# Altium PCB withICversion.PcbDoc (part 2 of 3)
Units mil, origin at the board's own origin, x right, y up, seen from the top; angles counter-clockwise.
Board outline 5511.81 x 8070.87 mil, 2 copper layers (Top Layer, Bottom Layer); 162 components, 85 nets, 489 pads, 156 vias.
Unrouted connection lines stored in the file: 133.
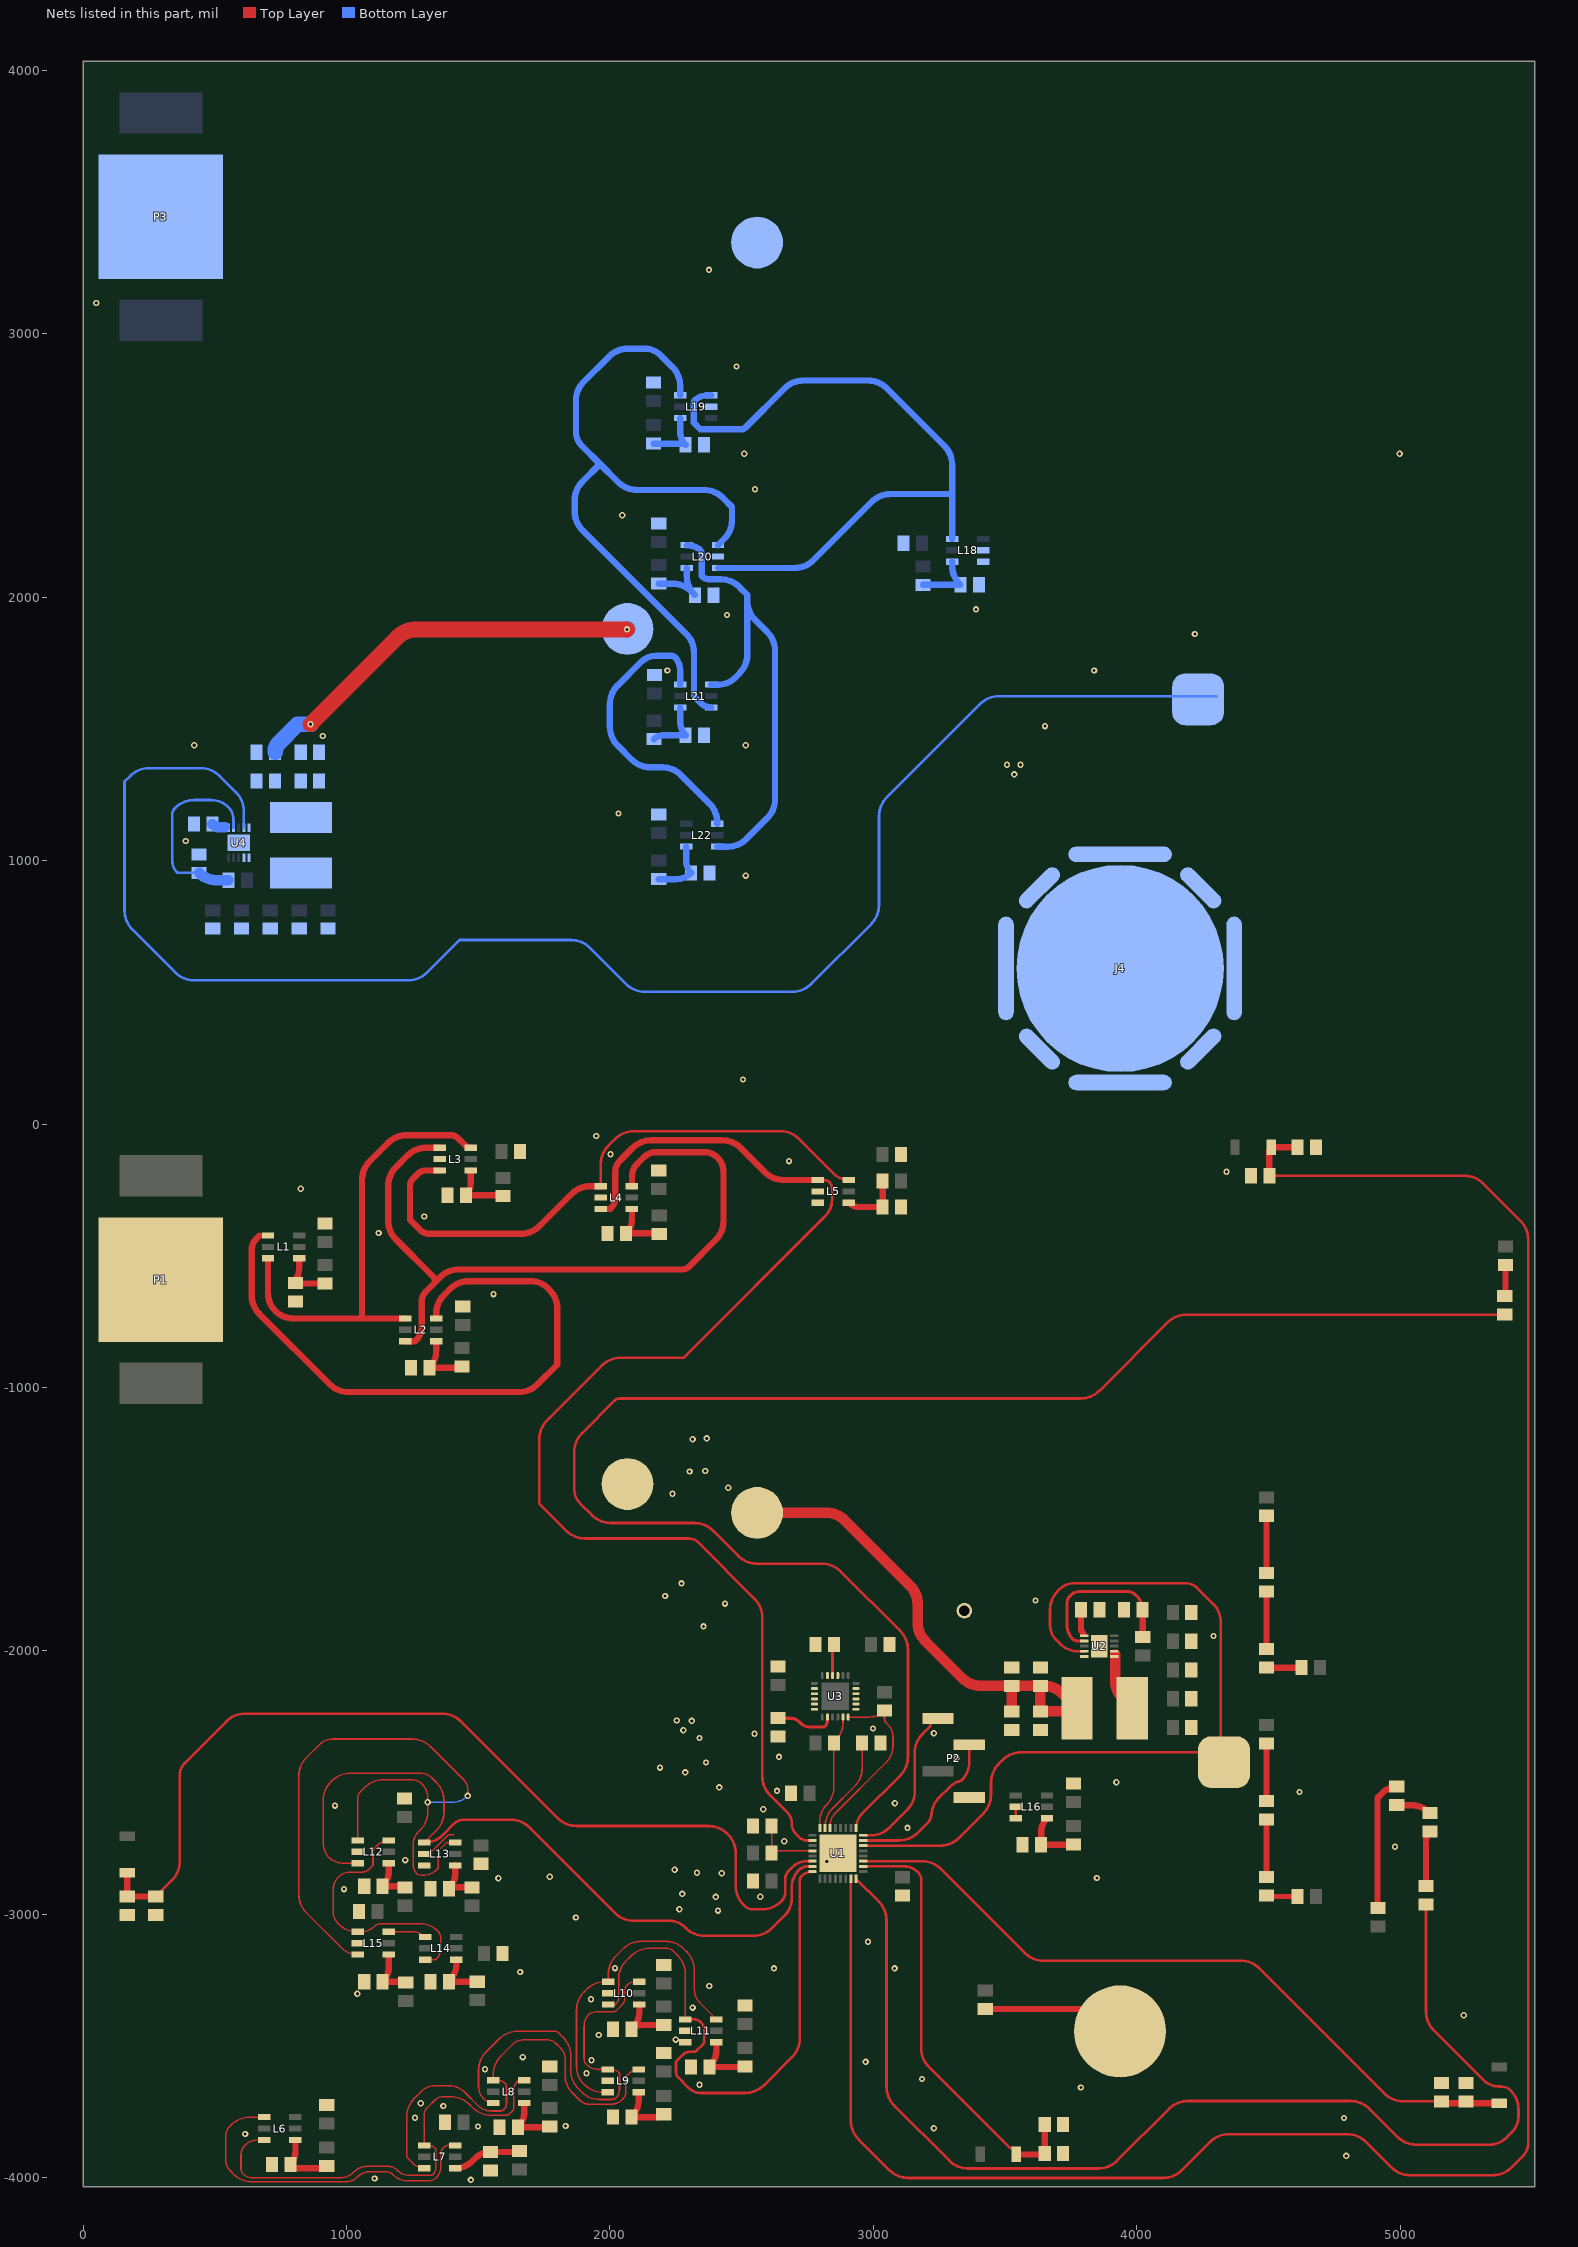
[diagram p2: the nets of this part, all layers, seen from the top]

## Via types
v1: diameter 24, hole 12, Top Layer to Bottom Layer, tented both sides, 156 vias

## Nets (pads, with @x,y where several pads share a name; then routed paths per layer and width w, separated by ;. In a path a pad name is that pad's centre, name@x,y a point inside that pad or via, vN(x,y) a via of type N, cw(c..) or ccw(c..) an arc to the next point about the centre after c; other vN are vias at no path point) (continued)
DAT_LDFLW: L10.6 L11.4 U1.8 | length 2264.1
  Top Layer w6: L10.6@1994.09,-3343.51 2017.87,-3343.51 ccw(c2017.87,-3336.77) 2022.65,-3341.53 ccw(c1996.5,-3315.4) 2033.46,-3315.4 2033.46,-3242.95 cw(c2122.33,-3242.95) 2059.49,-3180.12 2081.38,-3158.23 cw(c2152.09,-3228.94) 2152.09,-3128.94 2214.02,-3128.94 cw(c2214.02,-3165.9) 2240.16,-3139.76 2258.58,-3158.19 cw(c2191.37,-3225.39) 2286.42,-3225.39 L11.4@2286.42,-3399.61
  Top Layer w10: L11.4@2286.42,-3399.61 2319.33,-3399.61 cw(c2319.33,-3436.57) 2345.47,-3410.43 cw(c2314.58,-3441.32) 2358.27,-3441.32 2358.27,-3479.43 cw(c2334.74,-3479.43) 2351.37,-3496.07 2330.66,-3516.78 cw(c2315.94,-3502.07) 2315.94,-3522.88 2300.34,-3522.88 ccw(c2300.34,-3552.31) 2279.53,-3531.5 2255.16,-3555.86 ccw(c2265.24,-3565.94) 2250.98,-3565.94 2250.98,-3601.38 ccw(c2274.75,-3601.38) 2257.94,-3618.18 2301.18,-3661.42 ccw(c2343.95,-3618.65) 2343.95,-3679.13 2513.7,-3679.13 ccw(c2513.7,-3579.13) 2584.41,-3649.84 2692.17,-3542.08 ccw(c2621.46,-3471.37) 2721.46,-3471.37 2721.46,-2870.56 cw(c2741.62,-2870.56) 2727.74,-2855.93 cw(c2769.33,-2896.26) U1.8@2769.33,-2838.33
DAT_LUFLW: L4.6 L5.4 U1.2 | length 4919.2
  Top Layer w10: U1.2@2769.33,-2720.22 2746,-2720.22 cw(c2746,-2684.12) 2720.47,-2709.65 2707.84,-2697.01 cw(c2750.32,-2654.53) 2690.24,-2654.53 ccw(c2631.51,-2654.53) 2673.06,-2613.02 2608.03,-2547.99 cw(c2678.74,-2477.28) 2578.74,-2477.28 2578.74,-1874.1 ccw(c2478.74,-1874.1) 2549.45,-1803.39 2333.66,-1587.6 ccw(c2300.39,-1620.87) 2300.39,-1573.82 1905.59,-1573.82 cw(c1905.59,-1473.82) 1834.88,-1544.53 1732.28,-1441.93 1732.28,-1195.95 cw(c1832.28,-1195.95) 1761.57,-1125.24 1970.71,-916.1 cw(c2041.42,-986.81) 2041.42,-886.81 2280.51,-886.81 2817.06,-350.27 ccw(c2753.21,-286.42) 2843.5,-286.42 2843.5,-246.61 ccw(c2806.54,-246.61) 2832.68,-220.47 ccw(c2813.66,-239.49) 2813.66,-212.6 L5.4@2788.39,-212.6
  Top Layer w24: L4.6@1965.55,-322.84 1996.79,-322.84 ccw(c1996.79,-312.74) 2003.94,-319.88 ccw(c1963.54,-279.49) 2020.67,-279.49 2020.67,-181.55 cw(c2081.16,-181.55) 2038.37,-138.8 2085.87,-91.3 cw(c2156.58,-162.01) 2156.58,-62.01 2426.1,-62.01 cw(c2426.1,-162.01) 2496.81,-91.3 2588.82,-183.31 ccw(c2659.53,-112.6) 2659.53,-212.6 L5.4@2788.39,-212.6
DAT_RDFLW: R1.2 U1.25 | length 6189.6
  Top Layer w10: U1.25@2934.72,-2672.93 cw(c3011.66,-2672.93) 2957.26,-2618.53 3102.6,-2473.19 ccw(c3031.89,-2402.48) 3131.89,-2402.48 3131.89,-1996.15 ccw(c3031.89,-1996.15) 3102.6,-1925.44 2875.75,-1698.58 ccw(c2805.04,-1769.29) 2805.04,-1669.29 2558.15,-1669.29 cw(c2558.15,-1569.29) 2487.44,-1640 2391.49,-1544.05 ccw(c2320.78,-1614.76) 2320.78,-1514.76 2003.04,-1514.76 cw(c2003.04,-1414.76) 1932.32,-1485.47 1886.81,-1439.96 cw(c1941.46,-1385.31) 1864.17,-1385.31 1864.17,-1245.16 cw(c1964.17,-1245.16) 1893.46,-1174.45 2017.72,-1050.2 cw(c2036.73,-1069.21) 2036.73,-1042.32 3787.32,-1042.32 ccw(c3787.32,-942.32) 3858.03,-1013.03 4117.76,-753.31 cw(c4188.47,-824.02) 4188.47,-724.02 R1.2@5397.76,-724.02
DAT_RUFLW: R9.2 U1.16 | length 4564.5
  Top Layer w10: U1.16@2934.72,-2865.93 3020.91,-2952.11 cw(c2950.2,-3022.83) 3050.2,-3022.83 3050.2,-3656.41 ccw(c3150.2,-3656.41) 3079.49,-3727.12 3288.62,-3936.26 ccw(c3359.33,-3865.55) 3359.33,-3965.55 3855.23,-3965.55 ccw(c3855.23,-3865.55) 3925.94,-3936.26 4123.27,-3738.93 cw(c4193.98,-3809.65) 4193.98,-3709.65 4812.91,-3709.65 cw(c4812.91,-3809.65) 4883.62,-3738.94 4990.4,-3845.71 ccw(c5061.11,-3775) 5061.11,-3875 5339.57,-3875 ccw(c5339.57,-3782.33) 5405.06,-3847.89 ; R9.2@5098.43,-2963.78 5098.43,-3370 ccw(c5198.43,-3370) 5127.71,-3440.71 5317.91,-3630.91 ccw(c5374.94,-3573.88) 5374.94,-3654.53 5384.84,-3654.53 cw(c5384.84,-3702.05) 5418.44,-3668.44 5420.51,-3670.51 cw(c5349.8,-3741.22) 5449.8,-3741.22 5449.8,-3768.76 cw(c5369.15,-3768.76) 5426.18,-3825.79 cw(c5423.8,-3825.79) 5425.49,-3827.47 5405.1,-3847.86
DAT_XI: L12.6 L13.4 U1.7 | length 2934.1
  Top Layer w6: L12.6@1042.65,-2806.79 990.63,-2806.79 cw(c990.63,-2720.05) 969.32,-2804.13 cw(c990.63,-2720.05) 929.29,-2781.39 cw(c1011.42,-2724.33) 911.42,-2724.33 911.42,-2568 cw(c1011.42,-2568) 940.71,-2497.29 944.14,-2493.86 cw(c1014.85,-2564.57) 1014.85,-2464.57 1278.26,-2464.57 cw(c1278.26,-2531.78) 1325.79,-2484.25 1340.79,-2499.25 cw(c1270.08,-2569.96) 1370.08,-2569.96 1370.08,-2612.1 cw(c1270.08,-2612.1) 1340.79,-2682.81 L13.4@1295.28,-2728.32
  Top Layer w10: L13.4@1295.28,-2728.32 ccw(c1295.28,-2628.47) 1365.88,-2699.08 1406.52,-2658.45 cw(c1446.85,-2698.76) 1446.85,-2641.73 1623.93,-2641.73 cw(c1623.93,-2741.73) 1694.64,-2671.02 2019.92,-2996.3 ccw(c2090.63,-2925.59) 2090.63,-3025.59 2227.42,-3025.59 cw(c2227.42,-3106.24) 2284.45,-3049.21 2288.62,-3053.39 ccw(c2359.33,-2982.68) 2359.33,-3082.68 2544.21,-3082.68 ccw(c2544.21,-2982.68) 2614.92,-3053.39 2665.68,-3002.63 ccw(c2606.79,-2943.9) 2689.96,-2943.9 2689.96,-2899.21 cw(c2784.05,-2899.21) 2717.52,-2832.68 cw(c2751.4,-2866.56) 2751.4,-2818.64 U1.7@2769.33,-2818.64
GND: C1.1 C2.1 C3.1 C4.1 C5.1 C6.1 C7.1 C8.1 C9.1 C10.1 C11.1 C12.1 C13.1 C14.1 C15.1 C16.1 C17.1 C18.1 C19.1 C20.1 C21.1 C22.1 C23.1 C24.1 C25.1 C26.1 C27.1 C28.1 C29.1 C30.1 C31.1 C32.1 C33.1 C34.1 C35.1 C36.1 C37.1 C38.1 C39.1 C40.1 C41.1 C42.1 C43.1 C44.1 C45.1 C46.1 C47.2 C48.1 C49.1 C50.2 C51.1 C52.1 C53.1 C54.2 J3.1 L3.5 L4.5 L5.5 L5.6 L9.5 L10.5 L11.5 L11.6 L12.5 L13.5 L13.6 L15.5 L16.5 L16.6 P1.2 P2.4 pad.T@3346,-1848 R20.1 R25.1 R27.1 R28.1 R29.1 R30.1 U1.33 U2.11 U3.1 U3.2 U3.3 U3.4 U3.5 U3.9 U3.11 U3.14 U3.15 U3.16 U3.17 U3.18 | length 185.5
  Top Layer w6: L13.5@1295.28,-2771.64 1303.74,-2763.18 1322.97,-2763.18 1388.15,-2698 1407,-2698
  Top Layer w10: L16.6@3541.34,-2635.83 L16.5@3541.34,-2592.53
  other v1: 1472.1,-4009 1106.57,-4004 4796,-3917.96 615,-3835 3230,-3813 1499,-3806 1832,-3804.56 4787,-3774 1259.79,-3773.25 1367.59,-3728.37 1282,-3718 3788,-3658 2340.14,-3647.49 3185,-3626 1911,-3604 1526,-3589 2971,-3561 1930,-3555 1669,-3543 2250,-3476.38 1957.82,-3459 5242,-3384 2314,-3355 1928,-3323 1041,-3302 2377,-3272.61 1659.06,-3219.76 2622.92,-3206 3081,-3205.99 2019,-3205 2980,-3105 1870.7,-3012.64 2410.23,-2986.56 2263.78,-2981.67 2402.08,-2934.4 2571,-2934 2274.94,-2922.99 990.63,-2905 1576.4,-2864 3849,-2863 1771.65,-2857.79 2424.9,-2844.75 2330.36,-2843.12 2245.6,-2831.71 2823,-2800 1223,-2795 4981,-2744 2662,-2723 3130,-2672.59 2582,-2602 956,-2588 3082,-2579 4618,-2536 2634.54,-2532 2415.12,-2518.75 3923,-2499 2286.35,-2461.7 2190.18,-2443.77 2364.59,-2424.21 3316,-2407.68 2642,-2403 2340.14,-2331.3 2549,-2315 3230,-2313 2279.02,-2301.96 2999,-2295 2310.8,-2266.1 2253.75,-2264.47 4292,-1944 2355.63,-1907.5 2437.13,-1821.11 3616,-1808.9 2209.74,-1791.77 2271.68,-1744.23 2237.45,-1403.83 2449.35,-1381.01 2302.79,-1319.07 2362.2,-1317.44 2314.06,-1196.82 2367.85,-1193.56 1558.14,-646 1122,-414 1295,-351 826,-246 4341,-181 2680,-141 2002,-114.72 1948,-45.39
GND2: C55.1 C56.1 C57.1 C58.1 C59.1 C60.1 C61.1 C62.1 C63.1 C64.1 C65.1 C66.1 C67.1 C68.1 C69.1 C70.1 C71.1 C72.1 C73.1 C74.1 J4.1 J5.1 L18.5 L18.6 L19.5 L20.5 P3.2 R37.1 U4.11
  other v1: 2505,169 2516,943 389.62,1074.6 2032.7,1178.96 3535.14,1327.55 3507.69,1364.15 3558.93,1364.15 422,1437.75 2516,1437.75 910,1473 3652.26,1510.55 2218.19,1721.9 3838.58,1721.9 4220.97,1860.24 2444.6,1932.55 3390,1954 2046.59,2311.07 2550.74,2410.3 2510,2545 4998.52,2545 2480.89,2876.18 50,3117.13 2376,3243
LED_PWR_EN: pad.T@4331.69,-2423.23 U1.22 U2.9 | length 3146.4
  Top Layer w10: U1.22@2962.33,-2739.9 3254.11,-2739.9 ccw(c3254.11,-2639.9) 3324.82,-2710.61 3417.71,-2617.72 ccw(c3347,-2547.01) 3447,-2547.01 3447,-2500.42 cw(c3547,-2500.42) 3476.29,-2429.71 3490.88,-2415.12 cw(c3561.59,-2485.83) 3561.59,-2385.83 4252.87,-2385.83 cw(c4252.87,-2485.83) 4323.58,-2415.12 pad.T@4331.69,-2423.23 cw(c4360.21,-2394.71) 4319.88,-2394.71 4319.88,-1892.8 ccw(c4219.88,-1892.8) 4290.59,-1822.09 4231.8,-1763.29 ccw(c4183.07,-1812.02) 4183.07,-1743.11 3762.24,-1743.11 ccw(c3762.24,-1818.54) 3708.94,-1765.17 ccw(c3762.24,-1818.54) 3708.91,-1765.2 3700.29,-1773.82 ccw(c3771,-1844.53) 3671,-1844.53 3671,-1903.4 ccw(c3748.21,-1903.4) 3693.61,-1958 3710.42,-1974.8 ccw(c3776,-1909.22) 3776,-2001.97 U2.9@3800.28,-2001.97
LED_PWR_EN2: pad.T@4233.27,1612.2 U4.9 | length 6204.7
  Bottom Layer w10: U4.9@610.24,1124.32 610.24,1188.03 ccw(c510.24,1188.03) 580.95,1258.74 518.1,1321.59 ccw(c447.39,1250.88) 447.39,1350.88 249.71,1350.88 ccw(c249.71,1250.88) 179,1321.59 157.17,1299.75 157.17,809.45 ccw(c257.17,809.45) 186.46,738.74 350.63,574.56 ccw(c421.34,645.28) 421.34,545.28 1234.17,545.28 ccw(c1234.17,645.28) 1304.88,574.56 1429.13,698.82 1852.53,698.82 cw(c1852.53,598.82) 1923.24,669.53 2061.52,531.26 ccw(c2132.23,601.97) 2132.23,501.97 2692.83,501.97 ccw(c2692.83,601.97) 2763.54,531.26 2992.36,760.08 ccw(c2921.65,830.79) 3021.65,830.79 3021.65,1169.21 cw(c3121.65,1169.21) 3050.94,1239.92 3405.75,1594.73 cw(c3476.46,1524.02) 3476.46,1624.02 pad.T@4303.18,1624.02
NetC6_2: C6.2 L1.1 R4.1 | length 225.5
  Top Layer w24: L1.1@819.88,-509.85 819.88,-546.74 cw(c736.21,-546.74) 795.37,-605.91 R4.1@918.31,-605.91
NetC7_2: C7.2 L2.1 R5.1 | length 232.3
  Top Layer w24: L2.1@1340.55,-824.8 1340.55,-862.47 cw(c1251.84,-862.47) C7.2@1314.57,-925.2 1427.93,-925.2 ccw(c1427.93,-910.41) R5.1@1438.39,-920.87
NetC8_2: C8.2 L3.1 R6.1 | length 241.1
  Top Layer w24: L3.1@1471.46,-176.53 1471.46,-226.95 cw(c1409.62,-226.95) C8.2@1453.35,-270.67 1585.93,-270.67 cw(c1585.93,-282.77) R6.1@1594.49,-274.21
NetC9_2: C9.2 L4.1 R7.1 | length 224.2
  Top Layer w24: L4.1@2083.66,-322.84 2083.66,-362.13 cw(c2008.39,-362.13) C9.2@2061.61,-415.35 2183.21,-415.35 cw(c2183.21,-420.73) R7.1@2187.01,-416.93
NetC10_2: C10.2 L5.1 R8.1 | length 232
  Top Layer w24: L5.1@2906.5,-299.22 ccw(c2944.51,-261.2) 2944.51,-314.96 C10.2@3035.83,-314.96 R8.1@3035.83,-216.54
NetC17_2: C17.2 L11.1 R10.1 | length 237.6
  Top Layer w24: L11.1@2404.53,-3486.23 2404.53,-3515.6 cw(c2312.45,-3515.6) C17.2@2377.56,-3580.71 2507.1,-3580.71 ccw(c2507.1,-3572.64) R10.1@2512.8,-3578.35
NetC18_2: C18.2 L10.1 R11.1 | length 228.3
  Top Layer w24: L10.1@2112.2,-3343.51 2112.2,-3365.67 cw(c2012.2,-3365.67) C18.2@2082.92,-3436.38 ; R11.1@2204.72,-3420.87 2121.26,-3420.87 ccw(c2121.26,-3475.99) C18.2@2082.92,-3436.38 ; C18.2@2082.92,-3436.38 ccw(c2121.26,-3475.99) C18.2@2082.28,-3437.01 C18.2@2082.92,-3436.38
NetC19_2: C19.2 L9.1 R12.1 | length 227
  Top Layer w24: L9.1@2109.25,-3676.18 2109.25,-3705.56 cw(c2017.18,-3705.56) C19.2@2082.28,-3770.67 2178.59,-3770.67 ccw(c2178.59,-3733.71) R12.1@2204.72,-3759.84
NetC20_2: C20.2 L8.1 R13.1 | length 220.6
  Top Layer w24: L8.1@1675.2,-3717.52 1675.2,-3748.7 cw(c1589.84,-3748.7) C20.2@1650.2,-3809.06 1763.57,-3809.06 ccw(c1763.57,-3797.62) R13.1@1771.65,-3805.71
NetC21_2: C21.2 L7.1 R14.1 | length 262
  Top Layer w24: L7.1@1413.39,-3964.57 ccw(c1413.39,-3874.06) 1477.39,-3938.06 1488.62,-3926.83 cw(c1546.26,-3984.47) C21.2@1546.26,-3902.95 1649.37,-3902.95 ccw(c1649.37,-3892.87) R14.1@1656.5,-3900
NetC22_2: C22.2 L6.1 R15.1 | length 263.3
  Top Layer w24: L6.1@806.1,-3857.29 806.1,-3898.51 cw(c712.68,-3898.51) 778.74,-3964.57 905.25,-3964.57 ccw(c905.25,-3936.37) R15.1@925.2,-3956.31
NetC27_2: C27.2 L12.1 R16.1 | length 179.3
  Top Layer w24: L12.1@1160.76,-2806.79 1160.76,-2837.32 cw(c1081.02,-2837.32) C27.2@1137.4,-2893.7 1211.99,-2893.7 cw(c1211.99,-2908.49) R16.1@1222.44,-2898.03
NetC28_2: C28.2 L13.1 R17.1 | length 184.7
  Top Layer w24: L13.1@1413.39,-2814.94 1413.39,-2843.19 cw(c1328.03,-2843.19) C28.2@1388.39,-2903.54 cw(c1401.69,-2916.85) 1401.69,-2898.03 R17.1@1476.38,-2898.03
NetC29_2: C29.2 L14.1 R18.1 | length 199.2
  Top Layer w24: L14.1@1417.32,-3173.23 1417.32,-3187.03 cw(c1318.53,-3187.03) C29.2@1388.39,-3256.89 1495.87,-3256.89 R18.1@1496.06,-3256.69
NetC30_2: C30.2 L15.1 R19.1 | length 194.8
  Top Layer w24: L15.1@1160.76,-3153.54 1160.76,-3200.31 cw(c1081.02,-3200.31) C30.2@1137.4,-3256.69 1219.3,-3256.69 cw(c1219.3,-3261.13) R19.1@1222.44,-3257.99
NetC31_2: C31.2 R21.1 U1.4 | length 259.7
  Top Layer w6: C31.2@2613.78,-2665.35 R21.1@2613.78,-2767.42 cw(c2632.69,-2786.34) 2632.69,-2759.59 U1.4@2769.33,-2759.59
NetC33_2: C33.2 L16.1 R22.1 | length 228.9
  Top Layer w24: L16.1@3659.45,-2635.83 ccw(c3712.68,-2689.06) 3637.4,-2689.06 C33.2@3637.4,-2736.22 3758.28,-2736.22 ccw(c3758.28,-2734.01) R22.1@3759.84,-2735.57
NetC37_2: C37.2 C38.2 C39.2 C40.2 J2.1 L17.2 U2.10 | length 1926.2
  Top Layer w40: J2.1@2559.05,-1476.38 2821.77,-1476.38 cw(c2821.77,-1576.38) 2892.48,-1505.67 3139.02,-1752.21 cw(c3068.31,-1822.92) 3168.31,-1822.92 3168.31,-1893.62 ccw(c3268.31,-1893.62) 3197.6,-1964.33 3337.17,-2103.9 ccw(c3407.88,-2033.19) 3407.88,-2133.19 C37.2@3525.28,-2133.19 ; C38.2@3525.28,-2230.35 C37.2@3525.28,-2133.19 ; C37.2@3525.28,-2133.19 C39.2@3634.65,-2133.19 ; C39.2@3634.65,-2133.19 3646.53,-2133.19 cw(c3646.53,-2233.19) 3717.24,-2162.48 L17.2@3773.27,-2218.5 cw(c3744.66,-2189.9) 3744.66,-2230.35 C40.2@3634.65,-2230.35 C39.2@3634.65,-2133.19
NetC46_2: C46.2 U2.6 | length 92.2
  Top Layer w24: C46.2@3788.54,-1844.49 3788.54,-1912.66 ccw(c3819.19,-1912.66) 3797.52,-1934.33
NetC47_1: C47.1 U3.20 | length 226.6
  Top Layer w12: C47.1@2637.8,-2256 2685.47,-2256 cw(c2685.47,-2302.72) 2718.5,-2269.68 2722.88,-2274.06 ccw(c2759.84,-2237.09) 2759.84,-2289.37 2809.36,-2289.37 ccw(c2809.41,-2277.37) 2819.3,-2284.16 ccw(c2788.54,-2262.95) 2825.91,-2262.95 U3.20@2825.91,-2251.67
NetC53_2: C53.2 U3.10 | length 119.3
  Top Layer w12: U3.10@2845.59,-2094.19 2845.59,-1986.73 cw(c2860.64,-1986.73) C53.2@2850,-1976.08
NetC60_2: C60.2 L18.1 R31.1 | length 238.6
  Bottom Layer w24: R31.1@3188.98,2047.24 C60.2@3331.1,2047.24 3328.5,2049.84 cw(c3399.21,2120.55) 3299.21,2120.55 L18.1@3299.21,2134.84
NetC61_2: C61.2 L19.1 R32.1 | length 230.6
  Bottom Layer w24: R32.1@2165.35,2583.07 2277.34,2583.07 cw(c2277.34,2568.29) C61.2@2287.8,2578.74 cw(c2338.64,2629.59) 2266.73,2629.59 L19.1@2266.73,2680.12
NetC62_2: C62.2 L20.1 R33.1 | length 259.8
  Bottom Layer w24: R33.1@2185.04,2051.57 2237.71,2051.57 cw(c2237.71,1951.57) 2308.42,2022.29 2321.61,2009.1 cw(c2392.32,2079.81) 2292.32,2079.81 L20.1@2292.32,2111.22
NetC63_2: C63.2 L21.1 R34.1 | length 235.5
  Bottom Layer w24: R34.1@2167.32,1461.02 cw(c2204.39,1423.95) 2204.39,1476.38 C63.2@2287.8,1476.38 cw(c2338.64,1527.23) 2266.73,1527.23 L21.1@2266.73,1581.69
NetC64_2: C64.2 L22.1 R35.1 | length 234.7
  Bottom Layer w24: R35.1@2185.04,929.53 2250.87,929.53 ccw(c2250.87,1010.99) C64.2@2308.46,953.39 cw(c2354.56,999.48) 2289.37,999.48 L22.1@2289.37,1053.16
NetC65_2: C65.2 C66.2 C67.2 C68.2 J6.1 L23.2 U4.10 | length 1540.1
  Top Layer w60: v1(863,1517.72) 1193.99,1848.71 cw(c1264.7,1778) 1264.7,1878 v1(2065,1878)
  Bottom Layer w60: C65.2@729.06,1411.69 cw(c780,1411.69) 743.98,1447.72 813.98,1517.72 v1(863,1517.72) v1@865.39,1517.72 ; v1(2065,1878) J6.1@2066.93,1879.92
NetC74_2: C74.2 U4.6 | length 49.8
  Bottom Layer w40: C74.2@490.75,1138.78 ccw(c519.61,1167.65) 519.61,1126.82 537.37,1126.82
NetD1_K: D1.K R1.1 | length 120
  Top Layer w24: R1.1@5397.76,-653.94 ccw(c5390.94,-647.11) 5400.59,-647.11 D1.K@5400.59,-534.65
NetD2_K: D2.K D3.A | length 218.2
  Top Layer w24: D3.A@4493.11,-1705.59 D2.K@4493.11,-1487.4
NetD3_K: D3.K D4.A | length 218.2
  Top Layer w24: D4.A@4493.11,-1993.86 D3.K@4493.11,-1775.67
NetD4_K: D4.K R2.1 | length 132.9
  Top Layer w24: D4.K@4493.11,-2063.94 R2.1@4625.98,-2063.94
NetD5_K: D5.K D6.A | length 218.2
  Top Layer w24: D6.A@4493.11,-2570.39 D5.K@4493.11,-2352.2
NetD6_K: D6.K D7.A | length 218.2
  Top Layer w24: D7.A@4493.11,-2858.66 D6.K@4493.11,-2640.47
NetD7_K: D7.K R3.1 | length 118.7
  Top Layer w20: D7.K@4493.11,-2928.74 ccw(c4503.57,-2918.28) 4503.57,-2933.07 R3.1@4610.63,-2933.07
NetD8_K: D8.K D9.A | length 505.7
  Top Layer w24: D8.K@4916.34,-2976.77 cw(c4921.09,-2972.02) 4914.37,-2972.02 4914.37,-2559.06 4936.13,-2537.3 cw(c4987.2,-2588.38) D9.A@4987.2,-2516.14
NetD9_K: D9.K D10.A | length 135.2
  Top Layer w24: D9.K@4987.2,-2586.22 5042.44,-2586.22 cw(c5042.44,-2686.22) 5113.15,-2615.51 D10.A@5114.17,-2616.54
NetD10_K: D10.K R9.1 | length 211.3
  Top Layer w24: R9.1@5098.43,-2893.7 5098.43,-2724.63 cw(c5152.19,-2724.63) D10.K@5114.17,-2686.61
NetF1_1: F1.1 J1.1 | length 542.7
  Top Layer w24: F1.1@3425.2,-3359.89 3810.59,-3359.89 cw(c3810.59,-3459.89) 3881.3,-3389.18 J1.1@3937.01,-3444.88
NetL1_4: L1.4 L2.3 | length 2419.2
  Top Layer w24: 669.29,-424.21 657.16,-436.34 ccw(c699.17,-478.35) 639.76,-478.35 639.76,-650.51 ccw(c739.76,-650.51) 669.05,-721.22 936.26,-988.43 ccw(c1006.97,-917.72) 1006.97,-1017.72 1654.44,-1017.72 ccw(c1654.44,-917.72) 1725.16,-988.43 1800.2,-913.39 1800.2,-700.87 ccw(c1700.2,-700.87) 1770.91,-630.16 1763.78,-623.03 ccw(c1699.62,-687.19) 1699.62,-596.46 1464.65,-596.46 ccw(c1464.65,-696.46) 1393.94,-625.75 1369.84,-649.84 ccw(c1440.55,-720.56) 1340.55,-720.56 L2.3@1340.55,-738.18
NetL1_6: L1.6 L2.4 L3.3 | length 1749.3
  Top Layer w24: L1.6@701.77,-509.85 701.77,-643.11 ccw(c795.86,-643.11) 729.33,-709.65 ccw(c798.21,-640.77) 798.21,-738.18 1059.06,-738.18 ; L2.4@1222.44,-738.18 1059.06,-738.18 ; L3.3@1471.46,-89.91 cw(c1471.46,-59.86) 1450.21,-81.12 1423.23,-54.13 ccw(c1394.71,-82.65) 1394.71,-42.32 1228.43,-42.32 ccw(c1228.43,-142.32) 1157.72,-71.61 1088.34,-140.99 ccw(c1159.05,-211.7) 1059.06,-211.7 1059.06,-738.18
NetL2_6: L2.6 L3.4 L4.3 | length 2861.2
  Top Layer w24: L2.6@1222.44,-824.8 1256.67,-824.8 ccw(c1256.67,-814.74) 1263.78,-821.85 ccw(c1211.5,-769.57) 1285.43,-769.57 1285.43,-675.24 cw(c1342.56,-675.24) 1302.13,-634.88 1336.61,-600.39 ; L3.4@1353.35,-89.91 1302.89,-89.91 ccw(c1302.89,-189.91) 1232.17,-119.2 1187.75,-163.62 ccw(c1258.46,-234.33) 1158.46,-234.33 1158.46,-368.03 ccw(c1258.46,-368.03) 1187.75,-438.74 1327.57,-578.55 cw(c1305.72,-600.39) 1336.61,-600.39 ; L4.3@2083.66,-236.22 2083.66,-199.1 cw(c2150.87,-199.1) 2103.35,-151.57 2128.15,-126.77 cw(c2175.2,-173.82) 2175.2,-107.28 2360.94,-107.28 cw(c2360.94,-174.49) 2408.46,-126.97 cw(c2353.81,-181.62) 2431.1,-181.62 2431.1,-369.01 cw(c2331.1,-369.01) 2401.81,-439.72 2298.21,-543.33 cw(c2276.84,-521.92) 2276.84,-552.17 1426.26,-552.17 ccw(c1426.26,-652.17) 1355.55,-581.45 1336.61,-600.39
NetL3_6: L3.6 L4.4 L5.3 | length 2243.3
  Top Layer w10: L4.4@1965.55,-236.22 1965.55,-152.64 cw(c2065.55,-152.64) 1994.84,-81.93 2019.92,-56.85 cw(c2090.63,-127.56) 2090.63,-27.56 2647.55,-27.56 cw(c2647.55,-127.56) 2718.27,-56.85 2851.05,-189.63 ccw(c2906.5,-134.17) L5.3@2906.5,-212.6
  Top Layer w24: L3.6@1353.35,-176.53 1299.32,-176.53 ccw(c1299.32,-215.65) 1271.65,-187.99 1252.28,-207.37 ccw(c1279.16,-234.25) 1241.14,-234.25 1241.14,-364.17 1279.28,-402.31 ccw(c1314.57,-367.03) 1314.57,-416.93 1661.73,-416.93 ccw(c1661.73,-316.93) 1732.44,-387.64 1854.57,-265.51 cw(c1925.28,-336.22) 1925.28,-236.22 L4.4@1965.55,-236.22
NetL6_4: L6.4 L7.3 | length 1305.3
  Top Layer w6: L6.4@687.99,-3770.67 632.96,-3770.67 ccw(c632.96,-3870.67) 562.25,-3799.96 558.07,-3804.13 ccw(c598.47,-3844.53) 541.34,-3844.53 541.34,-3931.23 ccw(c605.19,-3931.23) 560.04,-3976.38 570.12,-3986.46 ccw(c640.83,-3915.75) 640.83,-4015.75 998.97,-4015.75 ccw(c998.97,-3958.62) 1039.37,-3999.02 1039.86,-3998.53 cw(c1088.58,-4047.26) 1088.58,-3978.35 1148.65,-3978.35 cw(c1148.65,-4018.67) 1177.17,-3990.16 ccw(c1231.82,-3935.51) 1231.82,-4012.8 1310.64,-4012.8 ccw(c1310.64,-3969.11) 1341.54,-4000 ccw(c1301.14,-3959.6) 1358.27,-3959.6 1358.27,-3910.57 cw(c1391.87,-3910.57) 1368.11,-3886.81 cw(c1389.5,-3908.2) 1389.5,-3877.95 L7.3@1413.39,-3877.95
NetL6_6: L6.6 L7.4 L8.3 | length 1743.7
  Top Layer w6: L6.6@687.99,-3857.29 664.07,-3857.29 ccw(c664.07,-3927.85) 614.17,-3877.95 ccw(c649.82,-3913.6) 599.41,-3913.6 599.41,-3967.21 ccw(c626.29,-3967.21) 607.28,-3986.22 ccw(c642.93,-3950.58) 642.93,-4000.98 975.28,-4000.98 ccw(c975.28,-3927.05) 1027.56,-3979.33 cw(c1079.84,-4031.61) 1079.84,-3957.68 1157.27,-3957.68 cw(c1157.27,-4008.08) 1192.91,-3972.44 ccw(c1240.44,-3924.92) 1240.44,-3992.13 1317.84,-3992.13 ccw(c1317.84,-3975.32) 1329.72,-3987.2 ccw(c1308.34,-3965.82) 1338.58,-3965.82 1338.58,-3893.29 ccw(c1332.58,-3893.26) 1336.67,-3888.86 ccw(c1309.08,-3918.29) 1309.08,-3877.95 L7.4@1295.28,-3877.95 1295.28,-3762.77 cw(c1335.6,-3762.77) 1307.09,-3734.25 1334.5,-3706.84 cw(c1368.11,-3740.44) 1368.11,-3692.91 1395.59,-3692.91 cw(c1395.59,-3792.91) 1466.3,-3722.2 1478.58,-3734.49 ccw(c1549.3,-3663.78) 1530.74,-3762.04 ccw(c1549.3,-3663.78) 1549.3,-3763.78 1603.76,-3763.78 ccw(c1603.76,-3741.03) 1603.85,-3763.78 ccw(c1603.76,-3741.03) 1619.84,-3757.12 1630.91,-3746.06 ccw(c1621.4,-3736.56) 1634.84,-3736.56 1634.84,-3667.46 cw(c1681.02,-3667.46) 1648.37,-3634.81 cw(c1669.75,-3691.4) 1669.75,-3630.9 L8.3@1675.2,-3630.9
NetL7_6: L7.6 L8.4 L9.3 | length 1756.1
  Top Layer w6: L7.6@1295.28,-3964.57 cw(c1295.28,-3905.17) 1253.3,-3947.2 1228.35,-3922.24 1228.35,-3770.01 cw(c1328.35,-3770.01) 1257.64,-3699.3 1283.46,-3673.47 cw(c1336.32,-3726.32) 1336.32,-3651.57 1388.78,-3651.57 cw(c1388.78,-3737.12) 1449.27,-3676.63 1499.51,-3726.88 ccw(c1549.3,-3677.09) 1549.3,-3747.5 1584.48,-3747.5 ccw(c1584.48,-3729.16) 1597.44,-3742.13 ccw(c1573.68,-3718.36) 1607.28,-3718.36 1607.28,-3654.6 ccw(c1590.48,-3654.6) 1602.36,-3642.72 ccw(c1573.84,-3671.24) 1573.84,-3630.9 L8.4@1557.09,-3630.9 1557.09,-3609.33 cw(c1657.09,-3609.33) 1561.02,-3581.55 cw(c1657.09,-3609.33) 1586.38,-3538.62 1627.95,-3497.05 cw(c1677.85,-3546.95) 1677.85,-3476.38 1758.24,-3476.38 cw(c1758.24,-3530.15) 1796.26,-3492.13 1812.25,-3508.11 cw(c1767.67,-3552.69) 1830.71,-3552.69 1830.71,-3616.61 ccw(c1915.13,-3616.61) 1855.43,-3676.3 1887.37,-3708.23 ccw(c1919.29,-3676.31) 1919.29,-3721.46 2005.86,-3721.46 ccw(c2005.86,-3664.33) 2046.26,-3704.72 2050.3,-3700.69 ccw(c2026.77,-3677.17) 2060.04,-3677.17 2060.04,-3621.31 cw(c2067.77,-3621.31) 2062.3,-3615.85 2073.95,-3604.2 cw(c2109.25,-3639.46) L9.3@2109.25,-3589.56
NetL8_6: L8.6 L9.4 L10.3 | length 1627.8
  Top Layer w6: L8.6@1557.09,-3717.52 cw(c1557.09,-3670.01) 1523.49,-3703.61 1520.67,-3700.79 cw(c1568.19,-3653.26) 1500.98,-3653.26 1500.98,-3593.59 cw(c1600.98,-3593.59) 1530.27,-3522.88 1579.96,-3473.19 cw(c1650.67,-3543.9) 1650.67,-3443.9 1788.48,-3443.9 cw(c1788.48,-3467.42) 1805.12,-3450.79 1822.09,-3467.76 cw(c1751.38,-3538.47) 1851.38,-3538.47 1851.38,-3592.44 ccw(c1951.38,-3592.44) 1880.67,-3663.15 1895.51,-3677.99 ccw(c1957.68,-3615.82) 1957.68,-3703.74 2008.13,-3703.74 ccw(c2008.13,-3681.36) 2023.96,-3697.18 ccw(c1993.87,-3667.1) 2036.42,-3667.1 2036.42,-3606.13 ccw(c2029.7,-3606.13) 2034.41,-3601.34 ; 2034.38,-3601.31 ccw(c2005.93,-3629.9) 2005.93,-3589.56 L9.4@1991.14,-3589.56 1956.56,-3589.56 cw(c1956.56,-3525.73) 1911.42,-3570.87 cw(c1935.18,-3547.1) 1901.57,-3547.1 1901.57,-3427.55 cw(c1971.91,-3427.55) 1922.18,-3377.81 cw(c1956.64,-3450.73) 1956.64,-3370.08 2012.32,-3370.08 ccw(c2012.32,-3349.92) 2026.57,-3364.17 2045.4,-3345.35 ; 2045.4,-3345.35 ccw(c2019.56,-3319.51) 2056.1,-3319.51 2056.1,-3292.56 cw(c2089.84,-3292.56) 2065.98,-3268.7 cw(c2094.5,-3297.22) 2094.5,-3256.89 L10.3@2112.2,-3256.89
NetL9_6: L9.6 L10.4 L11.3 | length 1268.6
  Top Layer w6: L9.6@1991.14,-3676.18 1973.51,-3676.18 cw(c1973.51,-3576.18) 1902.8,-3646.89 1900.59,-3644.68 cw(c1967.12,-3578.15) 1873.03,-3578.15 1873.03,-3365.24 cw(c1973.03,-3365.24) 1902.32,-3294.53 1910.67,-3286.18 cw(c1981.38,-3356.89) 1981.38,-3256.89 L10.4@1994.09,-3256.89 1994.09,-3229.41 cw(c2094.09,-3229.41) 2023.38,-3158.7 2049.45,-3132.64 cw(c2120.16,-3203.35) 2120.16,-3103.35 2210.55,-3103.35 cw(c2210.55,-3203.35) 2281.26,-3132.64 2291.58,-3142.95 cw(c2220.87,-3213.67) 2320.87,-3213.67 2320.87,-3285.43 ccw(c2394.53,-3285.43) 2342.44,-3337.52 L11.3@2404.53,-3399.61
NetL12_3: L12.3 L14.6 L15.4 | length 1021.3
  Top Layer w6: L12.3@1160.76,-2720.17 ccw(c1160.76,-2782.01) 1117.03,-2738.29 1109.25,-2746.06 ccw(c1130.64,-2767.45) 1100.39,-2767.45 1100.39,-2813.98 1084.95,-2829.42 cw(c1058.07,-2802.53) 1058.07,-2840.55 1013.21,-2840.55 ccw(c1013.21,-2902.38) 969.49,-2858.66 ccw(c1017.01,-2906.19) 949.8,-2906.19 949.8,-2991.27 ccw(c1013.65,-2991.27) 968.5,-3036.42 969.71,-3037.63 ccw(c1040.42,-2966.92) 1040.42,-3066.92 L15.4@1042.65,-3066.92 1056.43,-3066.92 ccw(c1056.43,-2996.39) 1106.3,-3046.26 cw(c1130.06,-3070.02) 1130.06,-3036.42 1279.92,-3036.42 cw(c1279.92,-3130.51) 1346.46,-3063.98 cw(c1317.94,-3092.49) 1358.27,-3092.49 1358.27,-3128.08 cw(c1298.59,-3128.08) 1340.85,-3170.21 cw(c1336.56,-3166.02) 1340.78,-3170.28 cw(c1333.65,-3163.14) 1333.65,-3173.23 L14.6@1299.21,-3173.23
NetL12_4: L12.4 L13.3 L15.6 | length 2809.2
  Top Layer w6: L15.6@1042.65,-3153.54 cw(c1042.65,-3066.36) 981.02,-3128.02 848.29,-2995.29 cw(c919,-2924.58) 819,-2924.58 819,-2476.42 cw(c919,-2476.42) 848.29,-2405.71 899,-2355 cw(c947.28,-2403.28) 947.28,-2335 1248.58,-2335 cw(c1248.58,-2435) 1319.29,-2364.29 1445,-2490 cw(c1408.79,-2526.21) 1460,-2526.21 v1(1460,-2551) ; L12.4@1042.65,-2720.17 1042.65,-2559.4 cw(c1075.15,-2559.4) 1052.17,-2536.42 1070.12,-2518.46 cw(c1140.83,-2589.17) 1140.83,-2489.17 1246.02,-2489.17 cw(c1246.02,-2546.3) 1286.42,-2505.91 1287.48,-2506.97 cw(c1235.39,-2559.06) 1309.06,-2559.06 1309.06,-2610.15 cw(c1209.06,-2610.15) 1279.77,-2680.86 1272.68,-2687.95 ccw(c1320.3,-2735.57) 1252.95,-2735.57 1252.95,-2811.67 ccw(c1304.35,-2811.67) 1268.01,-2848.01 ccw(c1288.39,-2802.46) 1288.39,-2852.36 ccw(c1288.39,-2771.57) 1345.51,-2828.7 1347.44,-2826.77 1347.44,-2760.45 1379.57,-2728.32 L13.3@1413.39,-2728.32
  Bottom Layer w6: v1(1308,-2575) 1402.06,-2575 ccw(c1402.06,-2493.06) v1(1460,-2551)
NetL14_4: L14.4 L15.3 | length 143.7
  Top Layer w6: L15.3@1160.76,-3066.92 1251.66,-3066.92 cw(c1251.66,-3134.16) L14.4@1299.21,-3086.61
NetL17_1: L17.1 U2.1 U2.2 | length 225.3
  Top Layer w40: 3918.31,-2015.78 3918.31,-2112.12 ccw(c4018.31,-2112.12) 3947.6,-2182.83 L17.1@3983.27,-2218.5
NetL18_3: L18.3 L19.4 L20.6 | length 2642.6
  Bottom Layer w24: L19.4@2384.84,2766.74 2369.79,2766.74 ccw(c2369.79,2696.16) 2327.49,2752.65 ccw(c2341.91,2733.47) 2317.91,2733.4 2317.91,2665.35 ccw(c2322.67,2665.35) 2319.3,2662 2343.5,2637.8 2500.91,2637.8 ccw(c2500.91,2654.6) 2512.8,2642.72 2663.62,2793.55 cw(c2734.33,2722.83) 2734.33,2822.83 2980.23,2822.83 cw(c2980.23,2722.83) 3050.94,2793.55 3269.92,2574.56 cw(c3199.21,2503.85) 3299.21,2503.85 3299.21,2391.73 ; L20.6@2410.43,2111.22 2701.69,2111.22 ccw(c2701.69,2211.22) 2772.4,2140.51 2994.33,2362.44 cw(c3065.04,2291.73) 3065.04,2391.73 3299.21,2391.73 ; L18.3@3299.21,2221.46 3299.21,2391.73
NetL19_3: L19.3 L20.4 L21.6 | length 2778.5
  Bottom Layer w24: L19.3@2266.73,2766.74 2266.73,2803.07 ccw(c2166.73,2803.07) 2237.44,2873.78 2191.93,2919.29 ccw(c2133.71,2861.07) 2133.71,2943.41 2067.5,2943.41 ccw(c2067.5,2843.41) 1996.79,2914.12 1900.35,2817.68 ccw(c1971.06,2746.96) 1871.06,2746.96 1871.06,2628.94 ccw(c1947.1,2628.94) 1893.33,2575.17 1962.53,2505.97 ; L21.6@2384.84,1581.69 cw(c2384.84,1638.71) 2344.52,1598.39 2324.8,1618.11 cw(c2338.08,1631.38) 2319.31,1631.38 2319.31,1789.86 ccw(c2219.31,1789.86) 2290.02,1860.57 1895.43,2255.16 cw(c1966.14,2325.87) 1866.14,2325.87 1866.14,2368.16 cw(c1966.14,2368.16) 1895.43,2438.87 1962.53,2505.97 ; L20.4@2410.43,2197.84 2434.29,2221.7 ccw(c2363.58,2292.41) 2463.58,2292.41 2463.58,2342.52 2427.91,2378.19 ccw(c2357.2,2307.48) 2357.2,2407.48 2102.44,2407.48 cw(c2102.44,2507.48) 2031.73,2436.77 1962.53,2505.97
NetL20_3: L20.3 L21.4 L22.6 | length 1875.7
  Bottom Layer w24: L20.3@2292.32,2197.84 cw(c2292.32,2119.43) 2338.67,2182.67 cw(c2324.51,2163.3) 2348.43,2161.27 2348.43,2080.71 ccw(c2379.32,2111.6) 2379.32,2067.91 2421.18,2067.91 cw(c2421.18,1967.91) 2491.89,2038.62 2521.65,2008.86 2521.65,1985.32 ; L21.4@2384.84,1668.31 2414.03,1668.31 ccw(c2414.03,1752.31) 2473.43,1692.91 2492.36,1711.85 ccw(c2421.65,1782.56) 2521.65,1782.56 2521.65,1985.32 ; L22.6@2407.48,1053.16 2447.76,1053.16 ccw(c2447.76,1153.16) 2518.47,1082.45 2597.68,1161.66 ccw(c2526.97,1232.37) 2626.97,1232.37 2626.97,1797.16 ccw(c2526.97,1797.16) 2597.68,1867.87 2550.94,1914.61 cw(c2621.65,1985.32) 2521.65,1985.32
NetL21_3: L21.3 L22.4 | length 1130.7
  Bottom Layer w24: L21.3@2266.73,1668.31 2266.73,1720.53 ccw(c2186.08,1720.53) 2251.57,1767.6 ccw(c2232.11,1753.56) 2232.04,1777.56 2176.18,1777.56 ccw(c2176.18,1694.39) 2117.34,1753.17 2029.29,1665.12 ccw(c2100,1594.41) 2000,1594.41 2000,1507.96 ccw(c2100,1507.96) 2029.29,1437.25 2082.92,1383.62 ccw(c2153.63,1454.33) 2153.63,1354.33 2198.74,1354.33 cw(c2198.74,1254.33) 2269.45,1325.04 2378.19,1216.3 cw(c2307.48,1145.59) 2407.48,1145.59 L22.4@2407.48,1139.78
NetL23_1: L23.1 U4.1 U4.2
NetR20_2: R20.2 U1.31 | length 372.6
  Top Layer w6: U1.31@2816.61,-2672.93 2816.61,-2668.7 cw(c2916.61,-2668.7) 2845.9,-2597.99 2928.35,-2515.55 ccw(c2857.64,-2444.84) 2957.64,-2444.84 R20.2@2957.64,-2350.1
NetR23_1: R23.1 R25.2 U2.7 | length 641.8
  Top Layer w12: U2.7@3800.28,-1962.6 3774.51,-1962.6 cw(c3774.51,-1939.08) 3757.87,-1955.71 cw(c3812.53,-1901.06) 3735.24,-1901.06 3735.24,-1821.24 cw(c3778.92,-1821.24) 3748.03,-1790.35 cw(c3786.05,-1828.37) 3786.05,-1774.61 3962.8,-1774.61 cw(c3962.8,-1821.65) 3996.06,-1788.39 4001.76,-1794.09 cw(c3951.36,-1844.49) R25.2@4022.64,-1844.49
  Top Layer w24: R23.1@4022.64,-1947.24 R25.2@4022.64,-1844.49
NetR36_1: R36.1 R37.2 U4.7 | length 756.1
  Bottom Layer w10: R37.2@439.96,953.54 362.67,953.54 cw(c362.62,963.54) 355.37,956.66 cw(c399.07,998.48) 338.58,998.48 338.58,1176.45 cw(c368.83,1176.45) 347.44,1197.83 350.63,1201.03 cw(c421.34,1130.32) 421.34,1230.32 484.65,1230.32 cw(c484.65,1136.22) 551.18,1202.76 cw(c503.66,1155.23) 570.87,1155.23 U4.7@570.87,1124.32
  Bottom Layer w40: R37.2@439.96,953.54 ccw(c508.37,1021.95) 508.37,925.21 R36.1@551.18,925.21
PD_D: C52.2 PD4.2 R30.2 U1.18 | length 1658.3
  Top Layer w10: U1.18@2962.33,-2818.64 3116.4,-2818.64 cw(c3116.4,-2893.44) 3169.29,-2840.55 cw(c3138.4,-2871.44) 3182.09,-2871.44 3182.09,-3509.76 ccw(c3282.09,-3509.76) 3211.38,-3580.47 3519.08,-3888.17 3530.59,-3888.17 3543.31,-3900.89 PD4.2@3543.31,-3912.4
  Top Layer w24: PD4.2@3543.31,-3912.4 3641.51,-3912.4 ccw(c3641.51,-3898.95) C52.2@3651.02,-3908.46 R30.2@3651.02,-3799.09
PD_L: C48.2 PD1.2 R27.2 U1.6 | length 3726.4
  Top Layer w10: C48.2@275.59,-2933.07 281.69,-2933.07 299.53,-2915.24 299.53,-2909.13 337.84,-2870.82 ccw(c267.13,-2800.11) 367.13,-2800.11 367.13,-2471.46 cw(c431.28,-2471.46) 385.92,-2426.09 543.55,-2268.46 cw(c614.26,-2339.17) 614.26,-2239.17 1364.09,-2239.17 cw(c1364.09,-2339.17) 1434.8,-2268.46 1802.4,-2636.07 ccw(c1873.11,-2565.35) 1873.11,-2665.35 2374.92,-2665.35 cw(c2374.92,-2765.35) 2445.63,-2694.64 2448.07,-2697.09 cw(c2377.36,-2767.8) 2477.36,-2767.8 2477.36,-2892.94 ccw(c2577.36,-2892.94) 2506.65,-2963.65 2512,-2969 ccw(c2543.38,-2937.62) 2543.38,-2982 2578.58,-2982 ccw(c2578.58,-2882) 2649.29,-2952.71 2652,-2950 ccw(c2617.38,-2915.38) 2666.34,-2915.38 2666.34,-2865.16 cw(c2707.54,-2865.16) 2678.4,-2836.03 2693.94,-2820.49 cw(c2745.92,-2872.47) 2745.92,-2798.96 U1.6@2769.33,-2798.96
  Top Layer w24: PD1.2@167.32,-2842.52 R27.2@167.32,-2933.07 C48.2@275.59,-2933.07
PD_R: C51.2 PD3.2 R29.2 U1.19 | length 2777.2
  Top Layer w10: U1.19@2962.33,-2798.96 3185.69,-2798.96 cw(c3185.69,-2898.96) 3256.4,-2828.25 3576.03,-3147.88 ccw(c3646.74,-3077.17) 3646.74,-3177.17 4395.59,-3177.17 cw(c4395.59,-3277.17) 4466.3,-3206.45 4941.66,-3681.81 ccw(c5012.37,-3611.1) 5012.37,-3711.1 C51.2@5157.48,-3711.1
  Top Layer w24: C51.2@5157.48,-3711.1 ccw(c5175.35,-3693.23) 5175.35,-3718.5 PD3.2@5376.97,-3718.5
PD_U: C49.2 PD2.2 R28.2 U1.15 | length 8511.4
  Top Layer w10: U1.15@2915.04,-2865.93 2915.04,-3784.06 ccw(c3015.04,-3784.06) 2944.33,-3854.77 3062.24,-3972.68 ccw(c3132.95,-3901.97) 3132.95,-4001.97 4100.31,-4001.97 ccw(c4100.31,-3901.97) 4171.02,-3972.68 4278.78,-3864.92 cw(c4349.49,-3935.63) 4349.49,-3835.63 4800.11,-3835.63 cw(c4800.11,-3935.63) 4870.82,-3864.92 4967.76,-3961.85 ccw(c5038.47,-3891.14) 5038.47,-3991.14 5352.28,-3991.14 ccw(c5352.28,-3891.14) 5422.99,-3961.85 5466.54,-3918.31 ccw(c5419.01,-3870.78) 5486.22,-3870.78 5486.22,-438.07 ccw(c5386.22,-438.07) 5456.93,-367.36 5315.71,-226.14 ccw(c5245,-296.85) 5245,-196.85 C49.2@4503.54,-196.85
  Top Layer w24: C49.2@4503.54,-196.85 4503.54,-106.17 cw(c4528.41,-106.17) PD2.2@4510.83,-88.58 4609.52,-88.58 ccw(c4609.52,-87.02) R28.2@4610.63,-88.12
SCL: R24.2 U1.32 U3.23 | length 445.6
  Top Layer w6: U1.32@2796.93,-2672.93 2796.93,-2647.19 cw(c2885.38,-2647.19) 2822.83,-2584.65 ccw(c2757.25,-2519.06) 2850,-2519.06 R24.2@2850,-2350.1 2855.67,-2344.43 ccw(c2784.96,-2273.71) 2884.96,-2273.71 U3.23@2884.96,-2251.67
SDA: R26.2 U1.30 U3.24 | length 691.8
  Top Layer w6: U1.30@2836.3,-2672.93 2836.3,-2661.78 cw(c2897.01,-2661.78) 2854.08,-2618.85 3048.47,-2424.46 ccw(c2984.9,-2360.89) 3074.8,-2360.89 3074.8,-2326.08 ccw(c3009.94,-2326.08) 3055.83,-2280.24 3047.24,-2271.65 cw(c3058.65,-2260.25) 3042.52,-2260.25 R26.2@3042.52,-2227.66 cw(c2984.54,-2169.68) 2984.54,-2251.67 U3.24@2904.65,-2251.67
SWCLK: P2.1 U1.24 | length 597.4
  Top Layer w10: U1.24@2962.33,-2700.53 2991.31,-2700.53 ccw(c2991.31,-2600.53) 3062.02,-2671.24 3128.19,-2605.08 ccw(c3057.48,-2534.37) 3157.48,-2534.37 3157.48,-2387.29 cw(c3257.48,-2387.29) 3186.77,-2316.58 3216.84,-2286.5 3216.84,-2272.36 3231.92,-2257.28 P2.1@3246.06,-2257.28
SWDIO: P2.2 U1.23 | length 634.8
  Top Layer w10: U1.23@2962.33,-2720.22 3098.13,-2720.22 ccw(c3098.13,-2620.22) 3168.84,-2690.93 3205.62,-2654.15 ; 3205.64,-2654.13 ccw(c3168.22,-2616.75) 3220.53,-2624.55 ; 3221.11,-2616.75 cw(c3168.22,-2616.75) 3220.53,-2624.55 ; P2.2@3364.17,-2357.28 3364.17,-2421.54 cw(c3264.17,-2421.54) 3334.88,-2492.25 3333.39,-2493.74 ccw(c3349.76,-2576.14) 3290.35,-2516.73 3249.76,-2557.32 ccw(c3320.47,-2628.04) 3220.53,-2624.55
pads on no net: L1.3 L1.5 L2.5 L6.3 L6.5 L7.5 L8.5 L14.3 L14.5 L16.3 L21.5 L22.3 L22.5 U1.9 U1.10 U1.11 U1.12 U1.13 U1.14 U1.26 U1.27 U1.28 U1.29 U2.5 U2.8 U3.0 U3.6 U3.7 U3.12 U3.19 U3.21 U3.22 U4.5 U4.8
copper on no net: | length 4564.6
  Top Layer w10: 748.03,-1336.61 1651.57,-1336.61 1653.54,-1338.58 1653.54,-1102.36 748.03,-1102.36 748.03,-1336.61
  Bottom Layer w10: 426.18,2177.38 426.18,2413.6 1331.69,2413.6 1331.69,2179.35 428.15,2179.35 426.18,2177.38

## Polygon pours and split planes (outlines as drawn)
GND2 on Bottom Layer "GND2_L02_P004" (solid, remove dead copper, pour order 4): 0,4035.43 0,0 5511.81,0 5511.81,4035.43
GND on Bottom Layer "GND_L02_P006" (solid, remove dead copper, pour order 6): 0,0 0,-4035.43 5511.81,-4035.43 5511.81,0
GND on Top Layer "GND_L01_P008" (solid, remove dead copper, pour order 8): 0,0 0,-4035.43 5511.81,-4035.43 5511.81,0
GND2 on Top Layer "GND2_L01_P010" (solid, remove dead copper, pour order 10): 0,4035.43 0,0 5511.81,0 5511.81,4035.43

## Keep-outs
Keep-Out Layer:
  circle w0: c133.86,-3835.63 r49.21
  circle w0: c133.86,199.8 r49.21
  circle w0: c5429.13,-74.8 r49.21
  circle w0: c5429.13,3960.63 r49.21
  circle w0: c984.25,-98.43 r49.21
  circle w0: c137.79,-1712.6 r49.21
  circle w0: c3307.09,-129.92 r49.21
  circle w0: c5413.39,-3503.94 r49.21
  circle w0: c4370.08,-3952.76 r49.21
  circle w0: c4370.08,82.68 r49.21
  circle w0: c5413.39,531.5 r49.21
  circle w0: c3307.09,3905.51 r49.21
  circle w0: c137.8,2322.83 r49.21
  circle w0: c984.25,3937.01 r49.21
  lines w10: 39.37,0 ccw(c39.37,-39.37) 0,-39.37 0,-3996.06 ccw(c39.37,-3996.06) 39.37,-4035.43 5472.44,-4035.43 ccw(c5472.44,-3996.06) 5511.81,-3996.06 5511.81,-39.37 ccw(c5472.44,-39.37) 5472.44,0 ; 39.37,0 cw(c39.37,39.37) 0,39.37 0,3996.06 cw(c39.37,3996.06) 39.37,4035.43 5472.44,4035.43 cw(c5472.44,3996.06) 5511.81,3996.06 5511.81,39.37 cw(c5472.44,39.37) 5472.44,0 ; 39.37,0 5472.44,0 ; 39.37,0 5472.44,0